# Allegro board RK_EVB7_RK3588_LP4XD200P232SD8_V11_20230111YWQ.brd (continued)
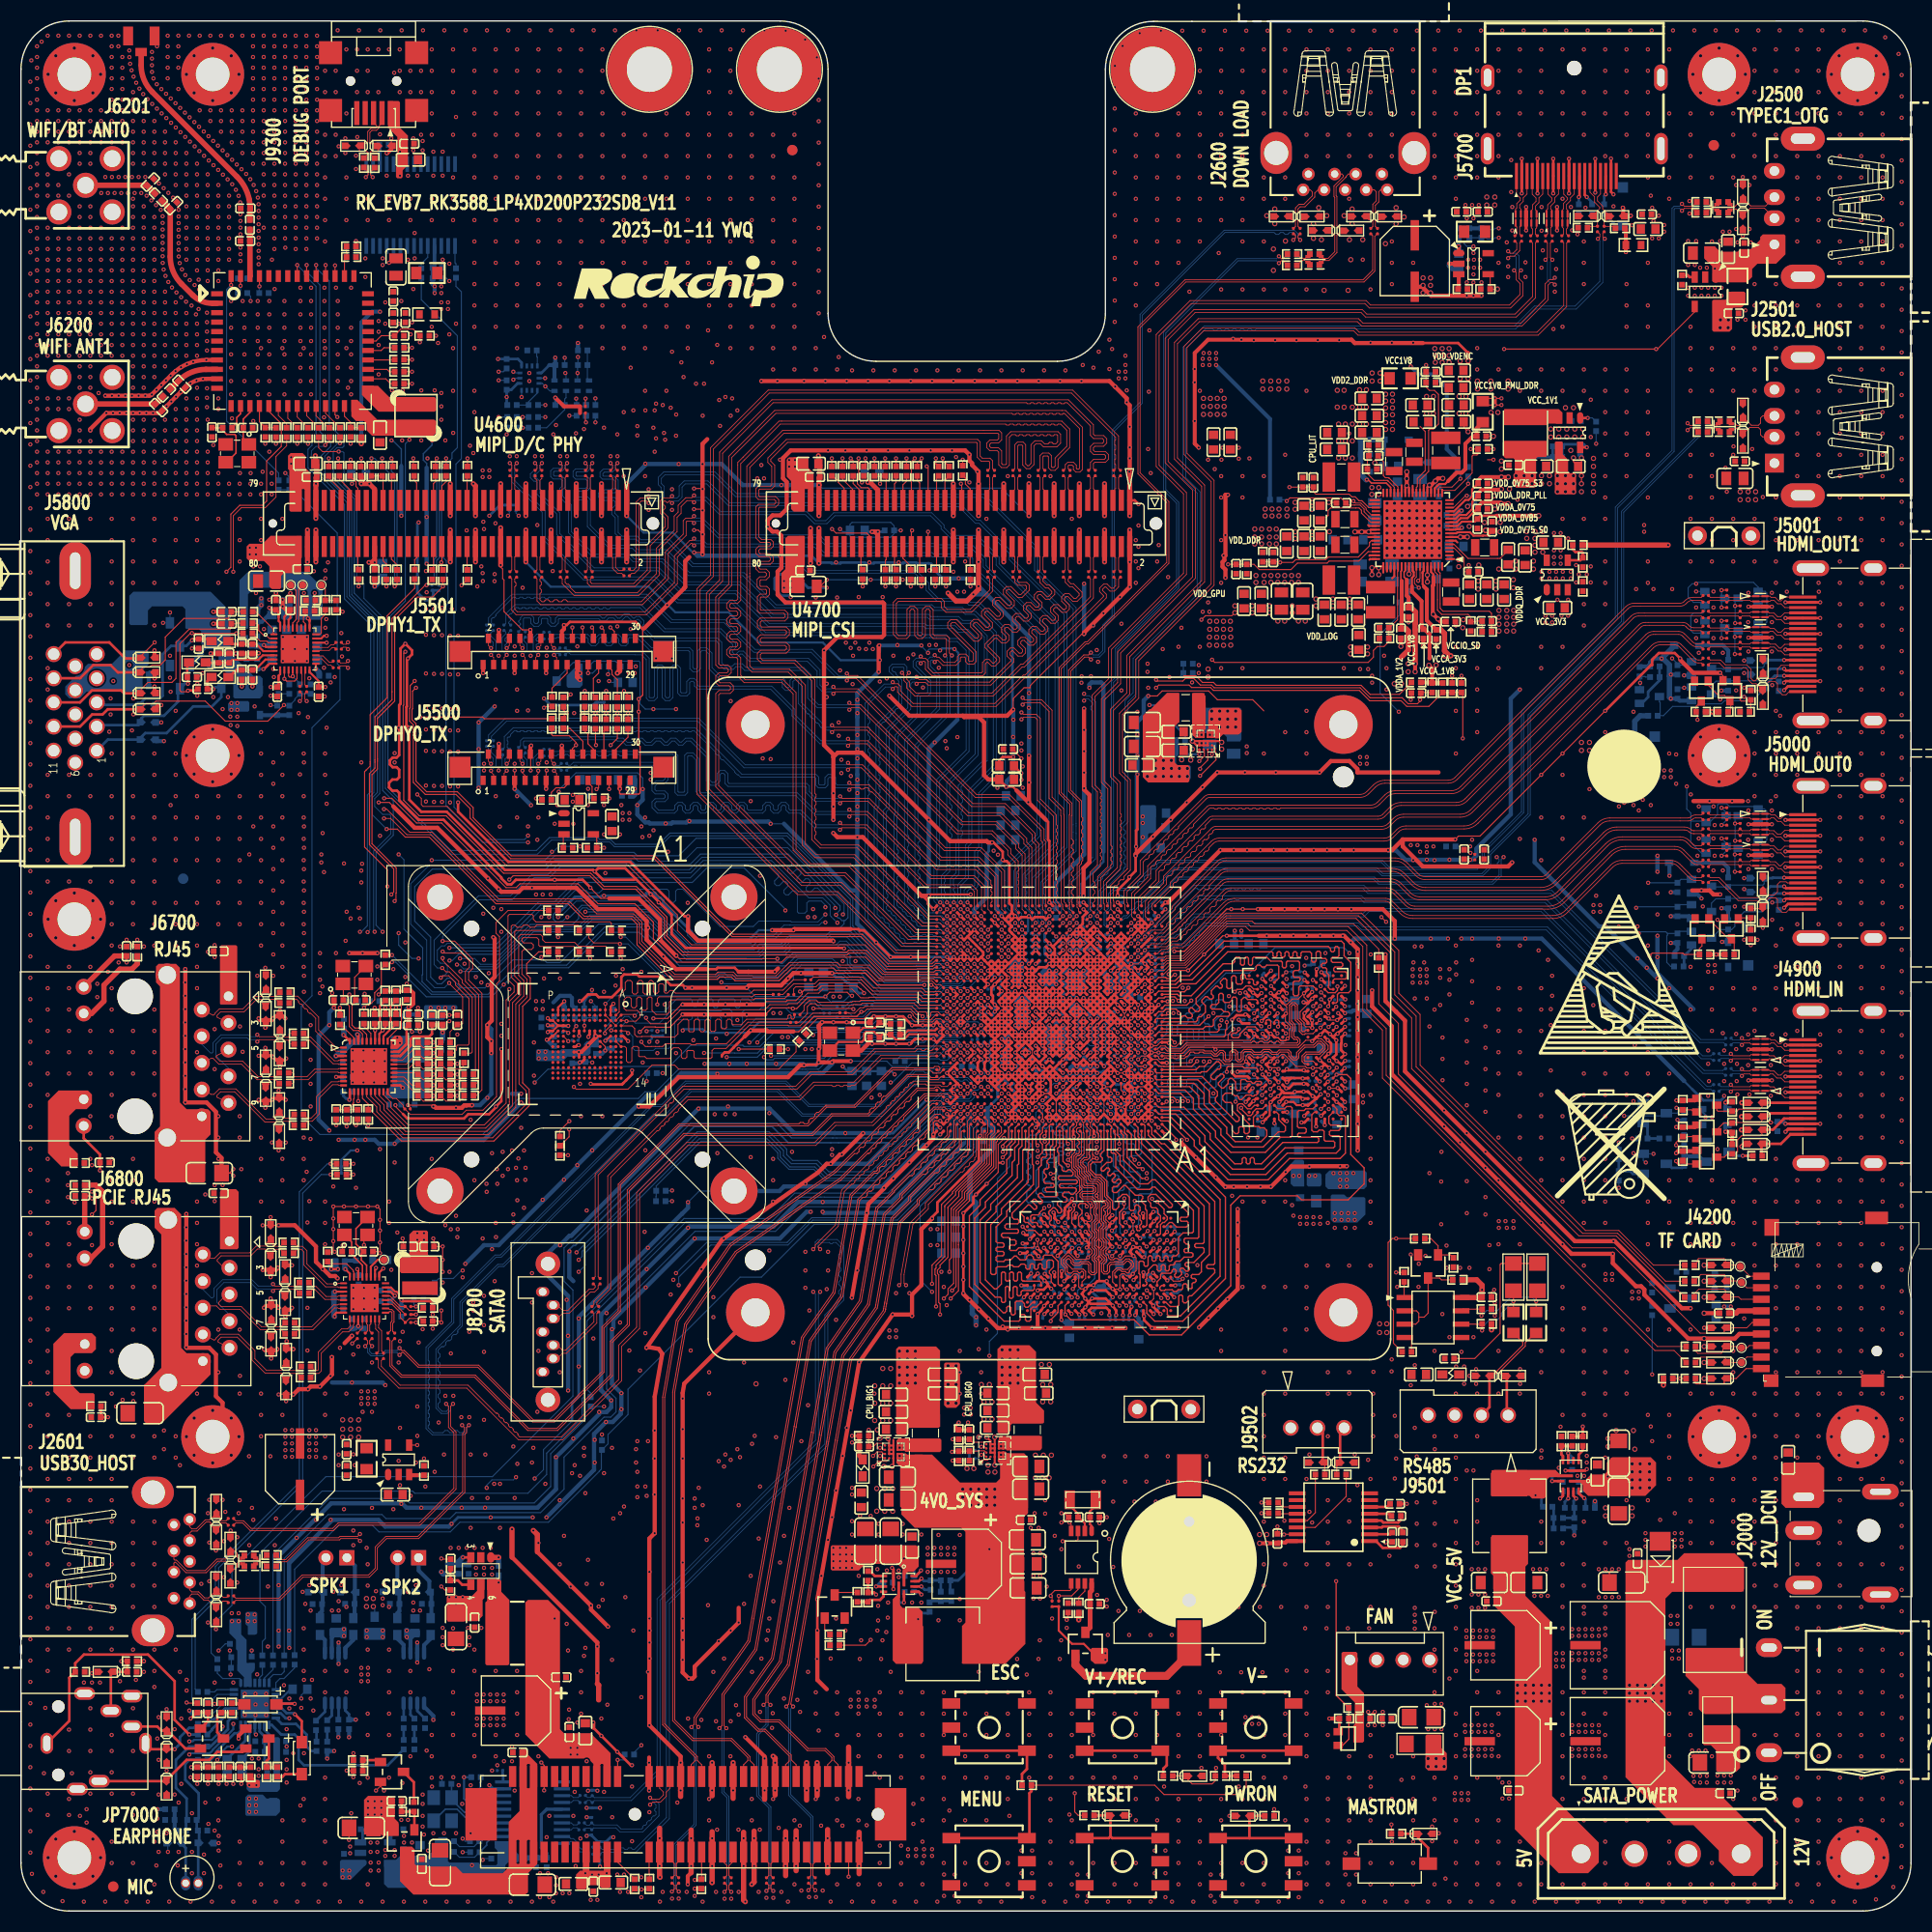
[diagram p0: board, top side]
## Routing (per net, layer and track width the routed paths; a pad name or vN(x,y) marks a point on that pad's centre or on a via; arc(x,y) is an arc through that point) (continued)
  vias: v1(0.89,174.22) v1(0.89,172.19) v1(0.89,170.16) v1(0.89,168.12) v1(0.89,166.09) v1(0.89,164.06) v1(0.89,162.03) v1(0.89,160) v1(0.89,157.96) v1(0.89,155.93) v1(0.89,153.9) v1(0.89,151.87) v1(0.89,149.84) v1(0.89,147.8) v1(0.89,145.77) v1(0.89,143.74) v1(0.89,141.71) v1(0.89,139.68) v1(0.89,137.64) v1(0.89,135.61) v1(0.89,133.58) v1(0.89,131.55) v1(0.89,129.52) v1(0.89,127.48) v1(0.89,125.45) v1(0.89,123.42) v1(0.89,121.39) v1(0.89,119.36) v1(0.89,117.32) v1(0.89,115.29) v1(0.89,113.26) v1(0.89,111.23) v1(0.89,109.2) v1(0.89,107.16) v1(0.89,105.13) v1(0.89,103.1) v1(0.89,101.07) v1(0.89,99.04) v1(0.89,97) v1(0.89,94.97) v1(0.89,92.94) v1(0.89,90.91) v1(0.89,88.88) v1(0.89,86.84) v1(0.89,84.81) v1(0.89,82.78) v1(0.89,80.75) v1(0.89,78.72) v1(0.89,76.68) v1(0.89,74.65) v1(0.89,72.62) v1(0.89,70.59) v1(0.89,68.56) v1(0.89,66.52) v1(0.89,64.49) v1(0.89,62.46) v1(0.89,60.43) v1(0.89,58.4) v1(0.89,56.36) v1(0.89,54.33) v1(0.89,52.3) v1(0.89,50.27) v1(0.89,48.24) v1(0.89,46.2) v1(0.89,44.17) v1(0.89,42.14) v1(0.89,40.11) v1(0.89,38.08) v1(0.89,36.04) v1(0.89,34.01) v1(0.89,31.98) v1(0.89,29.95) v1(0.89,27.92) v1(0.89,25.88) v1(0.89,23.85) v1(0.89,21.82) v1(0.89,19.79) v1(0.89,17.76) v1(0.89,15.72) v1(0.89,13.69) v1(0.89,11.66) v1(0.89,9.63) v1(0.89,7.6) v1(0.89,5.56) v1(0.98,176.25) v1(1.04,3.54) v1(1.52,177.59) v1(1.52,176.57) v1(1.52,175.55) v1(1.52,174.54) v1(1.52,173.52) v1(1.52,172.51) v1(1.52,171.49) v1(1.52,170.47) v1(1.52,169.46) v1(1.52,168.44) v1(1.52,167.43) v1(1.52,166.41) v1(1.52,165.39) v1(1.52,164.38) v1(1.52,163.36) v1(1.52,162.35) v1(1.52,161.33) v1(1.52,160.31) v1(1.52,159.3) v1(1.52,158.28) v1(1.52,157.27) v1(1.52,156.25) v1(1.52,155.23) v1(1.52,154.22) v1(1.52,153.2) v1(1.52,152.19) v1(1.52,151.17) v1(1.52,150.15) v1(1.52,149.14) v1(1.52,148.12) v1(1.52,147.11) v1(1.52,146.09) v1(1.52,145.07) v1(1.52,144.06) v1(1.52,143.04) v1(1.52,142.03) v1(1.52,141.01) v1(1.52,139.99) v1(1.52,138.98) v1(1.52,137.96) v1(1.52,136.95) v1(1.52,135.93) v1(1.52,134.91) v1(1.96,178.03) v1(2.18,13.12) v1(2.12,1.82) v1(2.31,19.34) v1(2.54,178.6) v1(2.54,171.49) v1(2.54,170.47) v1(2.54,169.46) v1(2.54,168.44) v1(2.54,165.39) v1(2.54,164.38) v1(2.54,163.36) v1(2.54,160.31) v1(2.54,159.3) v1(2.54,158.28) v1(2.54,157.27) v1(2.54,156.25) v1(2.54,155.23) v1(2.54,154.22) v1(2.54,153.2) v1(2.54,152.19) v1(2.54,151.17) v1(2.54,150.15) v1(2.54,149.14) v1(2.54,148.12) v1(2.54,144.06) v1(2.54,143.04) v1(2.54,138.98) v1(2.54,137.96) v1(2.54,136.95) v1(2.54,135.93) v1(2.54,134.91) v1(2.54,132.59) v1(2.54,130.56) v1(2.54,128.52) v1(2.54,126.49) v1(2.54,124.46) v1(2.54,122.43) v1(2.54,118.36) v1(2.54,116.33) v1(2.54,108.2) v1(2.54,106.17) v1(2.54,104.14) v1(2.54,102.11) v1(2.54,100.08) v1(2.54,98.04) v1(2.54,89.92) v1(2.54,87.88) v1(2.54,85.85) v1(2.54,83.82) v1(2.54,81.79) v1(2.54,79.76) v1(2.54,77.72) v1(2.54,71.63) v1(2.54,69.6) v1(2.54,67.56) v1(2.54,65.53) v1(2.54,63.5) v1(2.54,61.47) v1(2.54,59.44) v1(2.54,57.4) v1(2.54,55.37) v1(2.54,53.34) v1(2.54,51.31) v1(2.54,49.28) v1(2.54,47.24) v1(2.54,45.21) v1(2.54,43.18) v1(2.54,41.15) v1(2.54,39.12) v1(2.54,37.08) v1(2.54,35.05) v1(2.54,33.02) v1(2.54,30.99) v1(2.54,28.96) v1(2.54,26.92) v1(2.54,24.89) v1(2.54,22.86) v1(2.54,11.18) v1(2.54,9.14) v1(3.56,178.6) v1(3.56,171.49) v1(3.56,170.47) v1(3.56,169.46) v1(3.56,168.44) v1(3.56,164.38) v1(3.56,163.36) v1(3.56,159.3) v1(3.56,158.28) v1(3.56,157.27) v1(3.56,156.25) v1(3.56,155.23) v1(3.56,154.22) v1(3.56,153.2) v1(3.56,152.19) v1(3.56,151.17) v1(3.56,150.15) v1(3.56,149.14) v1(3.56,148.12) v1(3.56,144.06) v1(3.56,143.04) v1(3.56,138.98) v1(3.56,137.96) v1(3.56,136.95) v1(3.56,135.93) v1(3.56,134.91) v1(3.96,0.94) v1(4.47,70.27) v1(4.47,69.13) v1(4.47,67.99) v1(4.57,178.6) v1(4.57,171.49) v1(4.57,170.47) v1(4.57,169.46) v1(4.57,168.44) v1(4.57,165.39) v1(4.57,163.36) v1(4.57,160.31) v1(4.57,159.3) v1(4.57,158.28) v1(4.57,157.27) v1(4.57,156.25) v1(4.57,155.23) v1(4.57,154.22) v1(4.57,153.2) v1(4.57,152.19) v1(4.57,151.17) v1(4.57,150.15) v1(4.57,149.14) v1(4.57,148.12) v1(4.57,144.06) v1(4.57,143.04) v1(4.57,138.98) v1(4.57,137.96) v1(4.57,136.95) v1(4.57,135.93) v1(4.57,134.91) v1(4.57,132.59) v1(4.57,124.46) v1(4.57,122.43) v1(4.57,108.2) v1(4.57,106.17) v1(4.57,98.04) v1(4.57,89.92) v1(4.57,87.88) v1(4.57,85.85) v1(4.57,83.82) v1(4.57,81.79) v1(4.57,79.76) v1(4.57,65.53) v1(4.57,63.5) v1(4.57,61.47) v1(4.57,59.44) v1(4.57,57.4) v1(4.57,47.24) v1(4.57,45.21) v1(4.57,43.18) v1(4.57,41.15) v1(4.57,39.12) v1(4.57,37.08) v1(4.57,35.05) v1(4.57,33.02) v1(4.57,30.99) v1(4.57,28.96) v1(4.57,26.92) v1(4.57,24.89) v1(4.57,17.27) v1(4.57,15.24) v1(4.57,10.67) v1(4.57,9.14) v1(4.85,13.12) v1(5.11,67.48) v1(5.59,178.6) v1(5.59,171.49) v1(5.59,170.47) v1(5.59,169.46) v1(5.59,168.44) v1(5.59,167.43) v1(5.59,166.41) v1(5.59,162.35) v1(5.59,161.33) v1(5.59,160.31) v1(5.59,159.3) v1(5.59,158.28) v1(5.59,157.27) v1(5.59,156.25) v1(5.59,155.23) v1(5.59,154.22) v1(5.59,153.2) v1(5.59,152.19) v1(5.59,151.17) v1(5.59,150.15) v1(5.59,149.14) v1(5.59,148.12) v1(5.59,147.11) v1(5.59,146.09) v1(5.59,145.07) v1(5.59,142.03) v1(5.59,141.01) v1(5.59,139.99) v1(5.59,138.98) v1(5.59,137.96) v1(5.59,136.95) v1(5.59,135.93) v1(5.59,134.91) v1(5.61,9.06) v1(5.99,0.89) v1(5.99,21.76) v1(6.25,9.69) v1(6.25,8.42) v1(6.6,178.6) v1(6.6,171.49) v1(6.6,170.47) v1(6.6,169.46) v1(6.6,168.44) v1(6.6,167.43) v1(6.6,166.41) v1(6.6,162.35) v1(6.6,161.33) v1(6.6,160.31) v1(6.6,159.3) v1(6.6,158.28) v1(6.6,157.27) v1(6.6,156.25) v1(6.6,155.23) v1(6.6,154.22) v1(6.6,153.2) v1(6.6,152.19) v1(6.6,151.17) v1(6.6,150.15) v1(6.6,149.14) v1(6.6,148.12) v1(6.6,147.11) v1(6.6,146.09) v1(6.6,145.07) v1(6.6,139.99) v1(6.6,138.98) v1(6.6,137.96) v1(6.6,136.95) v1(6.6,135.93) v1(6.6,134.91) v1(6.6,132.59) v1(6.6,124.46) v1(6.6,122.43) v1(6.6,108.2) v1(6.6,106.17) v1(6.6,98.04) v1(6.6,89.92) v1(6.6,83.82) v1(6.6,81.79) v1(6.6,79.76) v1(6.6,75.69) v1(6.6,71.63) v1(6.6,59.44) v1(6.6,57.4) v1(6.6,45.21) v1(6.6,43.18) v1(6.6,41.15) v1(6.6,39.12) v1(6.6,37.08) v1(6.6,35.05) v1(6.6,33.02) v1(6.6,30.99) v1(6.6,28.96) v1(6.6,26.92) v1(6.6,24.89) v1(6.6,19.3) v1(6.6,17.27) v1(6.6,15.24) v1(6.6,13.21) v1(6.6,11.18) v1(6.76,71.03) v1(6.76,63.41) v1(6.76,22.65) v1(6.76,21.76) v1(7.26,88.31) v1(7.26,87.04) v1(7.39,144.57) v1(7.52,21.76) v1(7.62,178.6) v1(7.62,171.49) v1(7.62,170.47) v1(7.62,169.46) v1(7.62,168.44) v1(7.65,163.62) v1(7.62,160.31) v1(7.62,159.3) v1(7.62,158.28) v1(7.62,157.27) v1(7.62,156.25) v1(7.62,155.23) v1(7.62,154.22) v1(7.62,153.2) v1(7.62,152.19) v1(7.62,151.17) v1(7.62,150.15) v1(7.62,149.14) v1(7.62,148.12) v1(7.62,138.98) v1(7.62,137.96) v1(7.62,136.95) v1(7.62,135.93) v1(7.62,134.91) v1(8.03,165.14) v1(8.02,0.89) v1(8.28,163.62) v1(8.28,89.45) v1(8.41,112.31) v1(8.53,115.48) v1(8.53,113.96) v1(8.64,178.6) v1(8.64,177.59) v1(8.64,176.57) v1(8.64,175.55) v1(8.64,174.54) v1(8.64,173.52) v1(8.64,172.51) v1(8.64,171.49) v1(8.64,170.47) v1(8.64,169.46) v1(8.64,168.44) v1(8.66,165.14) v1(8.64,159.3) v1(8.64,158.28) v1(8.64,157.27) v1(8.64,156.25) v1(8.64,155.23) v1(8.64,154.22) v1(8.64,153.2) v1(8.64,152.19) v1(8.64,151.17) v1(8.64,150.15) v1(8.64,149.14) v1(8.64,148.12) v1(8.64,138.98) v1(8.64,137.96) v1(8.64,136.95) v1(8.64,135.93) v1(8.64,134.91) v1(8.64,132.59) v1(8.64,130.56) v1(8.64,128.52) v1(8.64,126.49) v1(8.64,124.46) v1(8.64,122.43) v1(8.64,110.24) v1(8.64,108.2) v1(8.64,106.17) v1(8.64,104.14) v1(8.64,102.11) v1(8.64,100.08) v1(8.64,98.04) v1(8.64,96.01) v1(8.64,93.98) v1(8.64,91.95) v1(8.64,87.88) v1(8.64,85.85) v1(8.64,83.82) v1(8.64,81.79) v1(8.64,79.76) v1(8.64,77.72) v1(8.64,75.69) v1(8.64,73.66) v1(8.64,71.63) v1(8.64,69.6) v1(8.64,67.56) v1(8.64,65.53) v1(8.64,63.5) v1(8.64,61.47) v1(8.64,59.44) v1(8.64,57.4) v1(8.64,55.37) v1(8.64,53.34) v1(8.64,51.31) v1(8.64,49.28) v1(8.64,45.21) v1(8.64,43.18) v1(8.64,41.15) v1(8.64,39.12) v1(8.64,37.08) v1(8.64,35.05) v1(8.64,33.02) v1(8.64,30.99) v1(8.64,28.96) v1(8.64,26.92) v1(8.64,24.89) v1(8.64,16.76) v1(8.64,15.24) v1(8.64,13.21) v1(8.64,11.18) v1(8.64,8.64) v1(8.64,6.6) v1(8.64,4.57) v1(8.79,117.13) v1(8.92,163.62) v1(9.04,48.05) v1(9.27,178.6) v1(9.27,177.59) v1(9.3,165.14) v1(9.3,90.34) v1(9.42,91.86) v1(9.42,21.88) v1(9.55,163.62) v1(9.65,176.57) v1(9.65,175.55) v1(9.65,174.54) v1(9.65,173.52) v1(9.65,172.51) v1(9.65,171.49) v1(9.65,170.47) v1(9.65,169.46) v1(9.65,168.44) v1(9.65,160.31) v1(9.65,159.3) v1(9.65,158.28) v1(9.65,157.27) v1(9.65,156.25) v1(9.65,155.23) v1(9.65,154.22) v1(9.65,153.2) v1(9.65,152.19) v1(9.65,151.17) v1(9.65,150.15) v1(9.65,149.14) v1(9.65,148.12) v1(9.65,138.98) v1(9.65,137.96) v1(9.65,136.95) v1(9.65,135.93) v1(9.65,134.91) v1(9.68,48.68) v1(9.93,165.14) v1(10.06,92.5) v1(10.05,0.89) v1(10.19,163.62) v1(10.31,177.19) v1(10.32,176.56) v1(10.31,118.66) v1(10.4,175.93) v1(10.53,175.31) v1(10.57,165.14) v1(10.57,112.44) v1(10.67,173.23) v1(10.67,172.51) v1(10.67,171.49) v1(10.67,170.47) v1(10.67,169.46) v1(10.67,168.44) v1(10.67,167.43) v1(10.67,166.41) v1(10.67,163.07) v1(10.67,162.35) v1(10.67,161.33) v1(10.67,160.31) v1(10.67,159.3) v1(10.67,158.28) v1(10.67,157.27) v1(10.67,156.25) v1(10.67,155.23) v1(10.67,154.22) v1(10.67,153.2) v1(10.67,152.19) v1(10.67,151.17) v1(10.67,150.15) v1(10.67,149.14) v1(10.67,148.12) v1(10.67,147.11) v1(10.67,146.09) v1(10.67,145.07) v1(10.67,142.03) v1(10.67,141.01) v1(10.67,139.99) v1(10.67,138.98) v1(10.67,137.96) v1(10.67,136.95) v1(10.67,135.93) v1(10.67,134.91) v1(10.67,132.59) v1(10.67,130.56) v1(10.67,128.52) v1(10.67,126.49) v1(10.67,110.24) v1(10.67,108.2) v1(10.67,106.17) v1(10.67,104.14) v1(10.67,102.11) v1(10.67,100.08) v1(10.67,98.04) v1(10.67,96.01) v1(10.67,93.98) v1(10.67,91.95) v1(10.67,83.82) v1(10.67,81.79) v1(10.67,79.76) v1(10.67,71.63) v1(10.67,69.6) v1(10.67,67.56) v1(10.67,61.47) v1(10.67,59.44) v1(10.67,57.4) v1(10.67,55.37) v1(10.67,49.28) v1(10.67,45.21) v1(10.67,43.18) v1(10.67,37.08) v1(10.67,35.05) v1(10.67,33.02) v1(10.67,30.99) v1(10.67,28.96) v1(10.67,24.89) v1(10.67,19.3) v1(10.67,15.24) v1(10.67,11.18) v1(10.67,9.14) v1(10.67,4.57) v1(10.67,2.54) v1(10.72,174.7) v1(10.69,115.48) v1(10.69,113.96) v1(10.69,48.55) v1(10.82,163.62) v1(10.97,174.12) v1(10.95,22.01) v1(11.07,92.5) v1(11.28,173.56) v1(11.2,165.14) v1(11.46,163.62) v1(11.64,173.04) v1(11.68,171.49) v1(11.68,170.47) v1(11.68,169.46) v1(11.68,168.44) v1(11.68,167.43) v1(11.68,166.41) v1(11.68,162.35) v1(11.68,161.33) v1(11.68,160.31) v1(11.68,159.3) v1(11.68,158.28) v1(11.68,157.27) v1(11.68,156.25) v1(11.68,155.23) v1(11.68,154.22) v1(11.68,153.2) v1(11.68,152.19) v1(11.68,151.17) v1(11.68,150.15) v1(11.68,149.14) v1(11.68,148.12) v1(11.68,147.11) v1(11.68,146.09) v1(11.68,145.07) v1(11.68,142.03) v1(11.68,141.01) v1(11.68,139.99) v1(11.68,138.98) v1(11.68,137.96) v1(11.68,136.95) v1(11.68,135.93) v1(11.68,134.91) v1(11.71,91.86) v1(11.71,22.77) v1(11.84,165.14) v1(11.96,163.36) v1(12.05,172.55) v1(12.08,0.89) v1(12.47,177.06) v1(12.47,176.42) v1(12.47,175.79) v1(12.48,175.15) v1(12.41,162.91) v1(12.46,144.43) v1(12.5,172.1) v1(12.62,174.53) v1(12.7,170.47) v1(12.7,169.46) v1(12.7,168.44) v1(12.7,167.43) v1(12.7,166.41) v1(12.7,161.33) v1(12.7,160.31) v1(12.7,159.3) v1(12.7,158.28) v1(12.7,157.27) v1(12.7,156.25) v1(12.7,155.23) v1(12.7,154.22) v1(12.7,153.2) v1(12.7,152.19) v1(12.7,151.17) v1(12.7,150.15) v1(12.7,149.14) v1(12.7,148.12) v1(12.7,147.11) v1(12.7,146.09) v1(12.7,142.03) v1(12.7,141.01) v1(12.7,139.99) v1(12.7,138.98) v1(12.7,137.96) v1(12.7,136.95) v1(12.7,135.93) v1(12.7,134.91) v1(12.7,132.59) v1(12.7,130.56) v1(12.7,128.52) v1(12.7,126.49) v1(12.7,122.43) v1(12.7,110.24) v1(12.7,108.2) v1(12.7,106.17) v1(12.7,104.14) v1(12.7,102.11) v1(12.7,100.08) v1(12.7,98.04) v1(12.7,96.01) v1(12.7,93.98) v1(12.7,91.95) v1(12.7,85.85) v1(12.7,83.82) v1(12.7,81.79) v1(12.7,79.76) v1(12.7,77.72) v1(12.7,67.56) v1(12.7,61.47) v1(12.7,59.44) v1(12.7,57.4) v1(12.7,55.37) v1(12.7,45.21) v1(12.7,43.18) v1(12.7,37.08) v1(12.7,35.05) v1(12.7,33.02) v1(12.7,30.99) v1(12.7,28.96) v1(12.7,24.89) v1(12.7,22.86) v1(12.7,21.34) v1(12.7,6.6) v1(12.7,2.54) v1(12.86,162.46) v1(12.95,177.59) v1(12.93,173.98) v1(12.94,171.65) v1(12.91,144.88) v1(12.98,16.42) v1(12.98,8.8) v1(12.98,7.53) v1(12.89,4.33) v1(13.14,164.53) v1(13.11,18.46) v1(13.11,14.39) v1(13.11,11.09) v1(13.11,5.63) v1(13.37,173.52) v1(13.31,162.02) v1(13.36,145.33) v1(13.39,171.2) v1(13.49,161.41) v1(13.49,160.77) v1(13.49,160.14) v1(13.49,159.5) v1(13.49,158.87) v1(13.49,158.23) v1(13.49,157.6) v1(13.59,164.08) v1(13.5,156.96) v1(13.58,156.33) v1(13.61,45.76) v1(13.61,43.98) v1(13.72,169.46) v1(13.72,168.44) v1(13.72,167.43) v1(13.72,166.41) v1(13.72,165.39) v1(13.76,155.72) v1(13.72,154.22) v1(13.72,153.2) v1(13.72,152.19) v1(13.72,151.17) v1(13.72,150.15) v1(13.72,149.14) v1(13.72,148.12) v1(13.72,147.11) v1(13.72,142.03) v1(13.72,141.01) v1(13.72,139.99) v1(13.72,138.98) v1(13.72,137.96) v1(13.72,136.95) v1(13.72,135.93) v1(13.72,134.91) v1(13.82,173.07) v1(13.84,170.76) v1(13.81,145.78) v1(13.87,19.22) v1(13.87,13.38) v1(13.87,7.41) v1(13.97,178.6) v1(13.97,177.59) v1(13.97,176.57) v1(13.97,175.55) v1(13.97,174.54) v1(14.04,163.63) v1(14.03,155.15) v1(14.19,119.55) v1(14.19,117.45) v1(14.11,0.89) v1(14.26,172.62) v1(14.29,170.31) v1(14.26,146.23) v1(14.25,116.12) v1(14.38,154.62) v1(14.48,163.18) v1(14.63,17.31) v1(14.63,11.09) v1(14.71,172.17) v1(14.74,169.86) v1(14.73,168.44) v1(14.73,167.43) v1(14.73,166.41) v1(14.73,165.39) v1(14.73,164.38) v1(14.73,153.2) v1(14.73,152.19) v1(14.73,151.17) v1(14.73,150.15) v1(14.73,149.14) v1(14.73,148.12) v1(14.72,146.66) v1(14.73,143.04) v1(14.73,142.03) v1(14.73,141.01) v1(14.73,139.99) v1(14.73,138.98) v1(14.73,137.96) v1(14.73,136.95) v1(14.73,135.93) v1(14.73,134.91) v1(14.73,132.59) v1(14.73,130.56) v1(14.73,128.52) v1(14.73,126.49) v1(14.73,114.3) v1(14.73,112.27) v1(14.73,110.24) v1(14.73,108.2) v1(14.73,106.17) v1(14.73,104.14) v1(14.73,102.11) v1(14.73,100.08) v1(14.73,96.01) v1(14.73,93.98) v1(14.73,91.95) v1(14.73,45.21) v1(14.73,43.18) v1(14.73,24.89) v1(14.81,154.15) v1(14.99,178.6) v1(14.99,177.59) v1(14.99,176.57) v1(14.99,175.55) v1(14.99,173.52) v1(14.92,4.33) v1(15.01,162.02) v1(15.01,161.38) v1(15.01,160.75) v1(15.01,160.11) v1(15.01,159.48) v1(15.01,158.84) v1(15.01,158.21) v1(15.02,157.57) v1(15.01,10.33) v1(15.01,5.63) v1(15.16,171.72) v1(15.19,169.41) v1(15.11,156.95) v1(15.14,42.46) v1(15.14,22.77) v1(15.25,153.7) v1(15.24,147.03) v1(15.27,18.33) v1(15.27,12.11) v1(15.33,156.35) v1(15.61,171.27) v1(15.64,168.96) v1(15.65,155.8) v1(15.75,167.43) v1(15.75,166.41) v1(15.75,165.39) v1(15.75,164.38) v1(15.75,163.36) v1(15.75,162.35) v1(15.75,161.33) v1(15.75,160.31) v1(15.75,159.3) v1(15.75,158.28) v1(15.75,157.27) v1(15.72,153.27) v1(15.75,152.19) v1(15.75,151.17) v1(15.75,150.15) v1(15.75,149.14) v1(15.75,148.12) v1(15.75,144.06) v1(15.75,143.04) v1(15.75,142.03) v1(15.75,141.01) v1(15.75,139.99) v1(15.75,138.98) v1(15.75,137.96) v1(15.75,136.95) v1(15.75,135.93) v1(15.75,134.91) v1(15.77,22.02) v1(15.77,21) v1(15.8,147.32) v1(16,178.6) v1(16.06,170.82) v1(16.09,168.51) v1(16.07,155.32) v1(16.14,145.49) v1(16.15,12.74) v1(16.15,0.89) v1(16.24,152.9) v1(16.28,121.71) v1(16.28,9.31) v1(16.28,5.63) v1(16.28,3.6) v1(16.4,147.54) v1(16.51,170.37) v1(16.54,168.06) v1(16.54,154.85) v1(16.66,152.06) v1(16.76,166.41) v1(16.76,165.39) v1(16.76,164.38) v1(16.76,163.36) v1(16.76,162.35) v1(16.76,161.33) v1(16.76,160.31) v1(16.76,159.3) v1(16.76,158.28) v1(16.76,157.27) v1(16.76,156.25) v1(16.76,151.17) v1(16.76,150.15) v1(16.76,149.14) v1(16.76,148.12) v1(16.71,145.76) v1(16.76,145.07) v1(16.76,144.06) v1(16.76,143.04) v1(16.76,142.03) v1(16.76,141.01) v1(16.76,139.99) v1(16.76,138.98) v1(16.76,137.96) v1(16.76,136.95) v1(16.76,135.93) v1(16.76,134.91) v1(16.76,132.59) v1(16.76,130.56) v1(16.76,128.52) v1(16.76,126.49) v1(16.79,116.88) v1(16.79,115.74) v1(16.76,106.17) v1(16.76,104.14) v1(16.76,102.11) v1(16.76,100.08) v1(16.76,96.01) v1(16.76,93.98) v1(16.76,91.95) v1(16.76,89.92) v1(16.76,87.88) v1(16.76,81.79) v1(16.76,67.56) v1(16.76,65.53) v1(16.76,63.5) v1(16.76,61.47) v1(16.76,49.28) v1(16.96,169.92) v1(16.98,167.61) v1(16.92,155.36) v1(16.97,154.42) v1(16.92,152.57) v1(17.02,178.6) v1(17.02,171.49) v1(17.17,31.16) v1(17.33,145.9) v1(17.41,169.48) v1(17.43,167.16) v1(17.42,5.37) v1(17.42,3.6) v1(17.55,68.24) v1(17.55,10.33) v1(17.68,154.09) v1(17.65,147.72) v1(17.78,165.39) v1(17.78,164.38) v1(17.78,163.36) v1(17.78,162.35) v1(17.78,161.33) v1(17.78,160.31) v1(17.78,159.3) v1(17.78,158.28) v1(17.78,157.27) v1(17.78,156.25) v1(17.78,155.23) v1(17.71,152.22) v1(17.71,151.32) v1(17.71,150.42) v1(17.71,149.52) v1(17.71,148.62) v1(17.71,145.02) v1(17.71,144.12) v1(17.71,143.22) v1(17.78,142.03) v1(17.78,138.98) v1(17.78,137.96) v1(17.78,136.95) v1(17.78,135.93) v1(17.78,134.91) v1(17.86,169.03) v1(17.88,166.71) v1(17.81,91.35) v1(17.81,37.89) v1(17.81,27.47) v1(17.85,8.3) v1(17.93,39.16) v1(17.93,35.09) v1(17.93,31.41) v1(18.03,178.6) v1(18.03,171.49) v1(18.03,170.47) v1(18.18,0.89) v1(18.31,168.58) v1(18.33,166.27) v1(18.31,139.61) v1(18.31,115.61) v1(18.44,91.99) v1(18.44,90.85) v1(18.44,83.99) v1(18.44,80.18) v1(18.44,69.13) v1(18.44,67.6) v1(18.44,21.76) v1(18.44,7.66) v1(18.57,34.33) v1(18.57,26.84) v1(18.75,168.13) v1(18.78,165.82) v1(18.8,164.38) v1(18.8,163.36) v1(18.8,162.35) v1(18.8,161.33) v1(18.8,160.31) v1(18.8,159.3) v1(18.8,158.28) v1(18.8,157.27) v1(18.8,156.25) v1(18.8,155.23) v1(18.8,144.06) v1(18.8,143.04) v1(18.8,136.95) v1(18.8,135.93) v1(18.8,134.91) v1(18.8,132.59) v1(18.8,130.56) v1(18.8,128.52) v1(18.8,126.49) v1(18.8,106.17) v1(18.8,104.14) v1(18.8,102.11) v1(18.8,100.08) v1(18.8,98.04) v1(18.8,96.01) v1(18.8,93.98) v1(18.8,75.69) v1(18.8,73.66) v1(18.8,71.63) v1(18.8,55.37) v1(18.8,51.31) v1(18.8,10.67) v1(18.8,8.64) v1(18.82,7.15) v1(18.82,5.76) v1(18.99,4.33) v1(18.99,2.3) v1(19.05,178.6) v1(19.05,171.49) v1(19.05,170.47) v1(19.05,169.46) v1(19.2,167.68) v1(19.23,165.37) v1(19.2,114.47) v1(19.2,69.13) v1(19.2,39.16) v1(19.33,35.22) v1(19.33,31.79) v1(19.46,38.01) v1(19.58,12.11) v1(19.65,167.23) v1(19.68,164.92) v1(19.71,115.61) v1(19.81,163.36) v1(19.81,162.35) v1(19.81,161.33) v1(19.81,160.31) v1(19.81,159.3) v1(19.81,158.28) v1(19.81,157.27) v1(19.81,135.93) v1(19.81,134.91) v1(19.93,113.75) v1(19.96,112.94) v1(19.96,36.24) v1(20.07,178.6) v1(20.07,171.49) v1(20.07,170.47) v1(20.07,169.46) v1(20.07,168.44) v1(20.01,153.33) v1(20.01,152.06) v1(20.01,150.79) v1(20.01,149.52) v1(20.01,148.25) v1(20.01,146.98) v1(20.01,145.71) v1(20.01,144.44) v1(20.09,142.15) v1(20.07,28.36) v1(20.1,166.78) v1(20.11,164.45) v1(20.22,21.76) v1(20.22,12.11) v1(20.21,0.89) v1(20.47,163.93) v1(20.55,166.33) v1(20.6,113.74) v1(20.6,112.86) v1(20.6,35.6) v1(20.6,31.28) v1(20.72,163.34) v1(20.73,37.89) v1(20.73,28.36) v1(20.87,162.73) v1(20.85,136.95) v1(20.83,135.93) v1(20.83,134.91) v1(20.83,132.59) v1(20.83,130.56) v1(20.83,128.52) v1(20.83,106.17) v1(20.83,104.14) v1(20.83,102.11) v1(20.83,100.08) v1(20.83,98.04) v1(20.83,96.01) v1(20.83,93.98) v1(20.85,84.24) v1(20.83,75.69) v1(20.83,73.66) v1(20.83,55.37) v1(20.85,50.97) v1(20.83,49.28) v1(20.83,39.12) v1(20.83,6.6) v1(20.83,4.57) v1(20.83,2.54) v1(20.9,161.59) v1(20.9,160.96) v1(20.9,160.32) v1(20.9,159.69) v1(20.9,158.42) v1(20.9,157.78) v1(20.9,157.15) v1(21.08,178.6) v1(21.08,171.49) v1(21.08,170.47) v1(21.08,169.46) v1(21.08,168.44) v1(21.08,167.43) v1(21,165.88) v1(21.11,153.33) v1(21.11,81.83) v1(21.28,152.06) v1(21.28,150.79) v1(21.28,149.52) v1(21.28,148.25) v1(21.28,146.98) v1(21.28,145.71) v1(21.28,144.44) v1(21.31,20.69) v1(21.31,18.66) v1(21.44,165.43) v1(21.72,43.31) v1(21.74,34.84) v1(21.84,164.93) v1(21.87,136.95) v1(21.84,135.93) v1(21.84,134.91) v1(22,38.39) v1(22,14.52) v1(22.1,178.6) v1(22.1,177.59) v1(22.1,176.57) v1(22.1,175.55) v1(22.1,174.54) v1(22.1,173.52) v1(22.1,172.51) v1(22.1,171.49) v1(22.1,170.47) v1(22.1,169.46) v1(22.1,168.44) v1(22.1,167.43) v1(22.1,166.41) v1(22.16,164.38) v1(22.12,141.9) v1(22.12,128.06) v1(22.12,37.25) v1(22.25,114.72) v1(22.24,0.89) v1(22.38,125.52) 